# KiCad board Pre-Layout.kicad_pcb (continued)
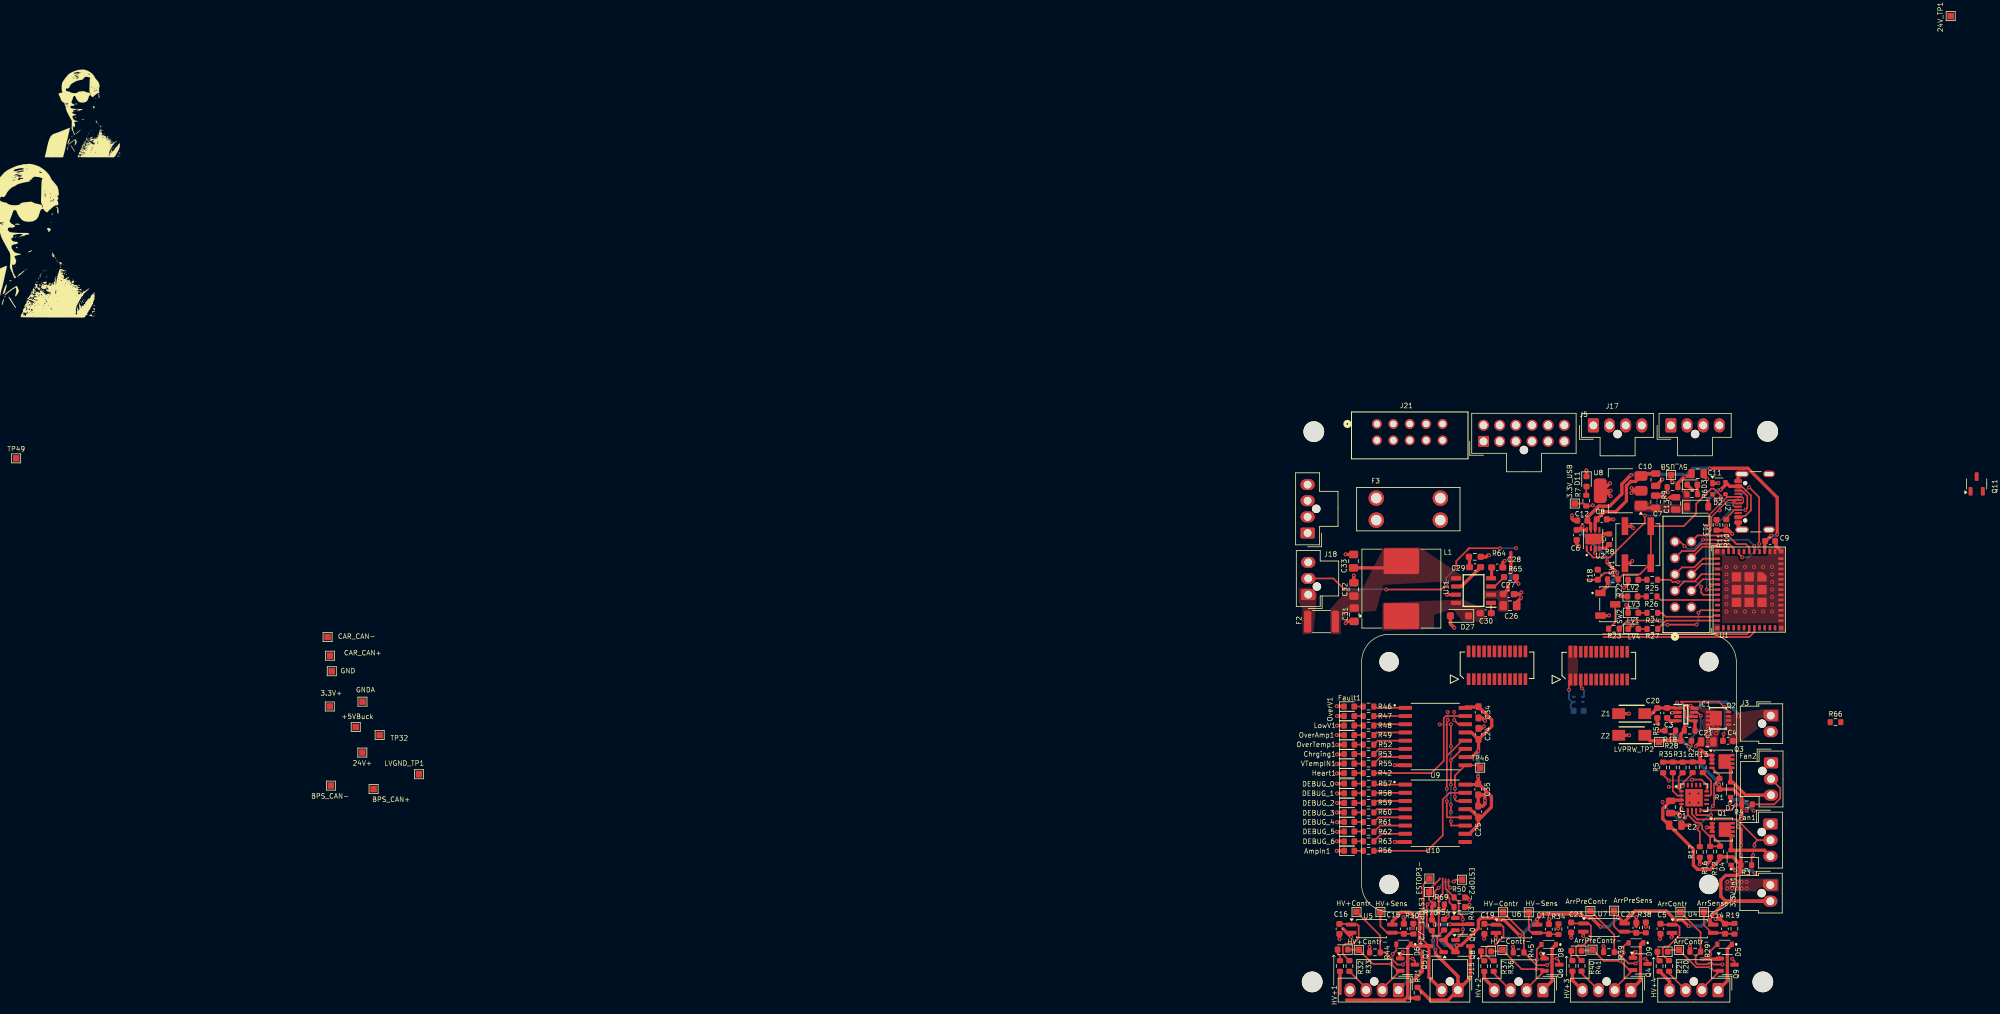
[diagram p0: board, top side]
## Library data of the parts (continued)
U11 = -: Datasheet: https://www.ti.com/lit/ds/symlink/tps5405.pdf?HQS=dis-dk-null-digikeymode-dsf-pf-null-wwe&ts=1744490234630&ref_url=https%253A%252F%252Fwww.ti.com%252Fgeneral%252Fdocs%252Fsuppproductinfo.tsp%253FdistId%253D10%2526gotoUrl%253Dhttps%253A%252F%252Fwww.ti.com%252Flit%252Fgpn%252Ftps5405; Description: Buck Switching Regulator IC Positive Fixed 5V; ki_fp_filters: D0008A-IPC_A D0008A-IPC_B D0008A-IPC_C D0008A-MFG
U12 = -: Datasheet: https://sensirion.com/media/documents/33FD6951/624C4357/Datasheet_SHT4x.pdf; Description: Digital Humidity and Temperature Sensor, ±1%RH, ±0.1°C, I2C, 1.08-3.6V, 16bit, DFN-4; ki_fp_filters: Sensirion?DFN*1.5x1.5mm*P0.8mm*SHT4x*
Z1 Z2 = -: Datasheet: https://www.mccsemi.com/pdf/Products/SMAF4735A_SMAF4764A(DO-221AC).pdf; Description: 1.0 Watt Zener Diodes 6.2V to 100V; Height: 1.25; Mouser Part Number: 833-SMAF4749A-TP; Mouser Price/Stock: https://www.mouser.co.uk/ProductDetail/Micro-Commercial-Components-MCC/SMAF4749A-TP?qs=%252BXxaIXUDbq1bdSZ3Ebik%2FA%3D%3D; Manufacturer_Name: MCC; Manufacturer_Part_Number: SMAF4749A-TP

## Footprints (pads in the part's own frame, mm; a bottom-side part is the same pattern mirrored in y, then rotated)
C_0603_1608Metric
  rrect 0.9x0.95 smd: 1(-0.775,0) 2(0.775,0)
C_0603_1608Metric_Pad1.08x0.95mm_HandSolder
  rrect 1.075x0.95 smd: 1(-0.863,0) 2(0.863,0)
C_0805_2012Metric
  rrect 1x1.45 smd: 1(-0.95,0) 2(0.95,0)
C_0805_2012Metric_Pad1.18x1.45mm_HandSolder
  rrect 1.175x1.45 smd: 1(-1.038,0) 2(1.038,0)
CONN_SFH11-xxxC-D05-ST-XX_SUL
  round 1.524 hole 1.016: 1(0,0) 2(0,-2.54) 3(2.54,0) 4(2.54,-2.54) 5(5.08,0) 6(5.08,-2.54) 7(7.62,0) 8(7.62,-2.54) 9(10.16,0) 10(10.16,-2.54)
D_SOD-123
  rrect 0.9x1.2 smd: 1(-1.65,0) 2(1.65,0)
D_SOD-123F
  rrect 1.1x1.1 smd: 1(-1.4,0) 2(1.4,0)
EL3H7
  rrect 1.625x0.6 smd: 1(-3.188,0.635) 2(-3.188,-0.635) 3(3.188,-0.635) 4(3.188,0.635)
ESP32-C6-MINI-1
  rect 0.8x0.4 smd: 1(-5.9,1.3) 2(-5.9,0.5) 3(-5.9,-0.3) 4(-5.9,-1.1) 5(-5.9,-1.9) 6(-5.9,-2.7) 7(-5.9,-3.5) 8(-5.9,-4.3) 9(-5.9,-5.1) 10(-5.9,-5.9) 11(-5.9,-6.7) 25(5.9,-6.7) 26(5.9,-5.9) 27(5.9,-5.1) 28(5.9,-4.3) 29(5.9,-3.5) 30(5.9,-2.7) 31(5.9,-1.9) 32(5.9,-1.1) 33(5.9,-0.3) 34(5.9,0.5) 35(5.9,1.3)
  rect 0.4x0.8 smd: 12(-4.8,-7.6) 13(-4,-7.6) 14(-3.2,-7.6) 15(-2.4,-7.6) 16(-1.6,-7.6) 17(-0.8,-7.6) 18(0,-7.6) 19(0.8,-7.6) 20(1.6,-7.6) 21(2.4,-7.6) 22(3.2,-7.6) 23(4,-7.6) 24(4.8,-7.6) 36(4.8,2.2) 37(4,2.2) 38(3.2,2.2) 39(2.4,2.2) 40(1.6,2.2) 41(0.8,2.2) 42(0,2.2) 43(-0.8,2.2) 44(-1.6,2.2) 45(-2.4,2.2) 46(-3.2,2.2) 47(-4,2.2) 48(-4.8,2.2)
  custom 1.45x1.45 smd: 49(-1.975,-0.725)
  rect 1.45x1.45 smd: 49(-1.975,-2.7) 49(-1.975,-4.675) 49(0,-0.725) 49(0,-2.7) 49(0,-4.675) 49(1.975,-0.725) 49(1.975,-2.7) 49(1.975,-4.675)
  rect 0.7x0.7 smd: 50(5.95,2.25) 51(5.95,-7.65) 52(-5.95,-7.65) 53(-5.95,2.25)
Fuse_1812_4532Metric
  rrect 1.125x3.4 smd: 1(-2.138,0) 2(2.138,0)
FUSE_3568
  round 2.4 hole 1.6: 1(-4.96,1.7) 2(4.96,1.7) 3(-4.96,-1.7) 4(4.96,-1.7)
L_Coilcraft_MSS1246-XXX
  rrect 4x5.5 smd: 1(-4.25,0) 2(4.25,0)
LeaderSOM
  round 3 hole 3 unplated: (-24.59,-5.45) (-24.59,-39.95) (24.91,-5.45) (24.91,-39.95)
  rect 0.55x1.8 smd: 1(3.474,-8.2) 2(3.474,-3.9) 3(4.274,-8.2) 4(4.274,-3.9) 5(5.074,-8.2) 6(5.074,-3.9) 7(5.874,-8.2) 8(5.874,-3.9) 9(6.674,-8.2) 10(6.674,-3.9) 11(7.474,-8.2) 12(7.474,-3.9) 13(8.274,-8.2) 14(8.274,-3.9) 15(9.074,-8.2) 16(9.074,-3.9) 17(9.874,-8.2) 18(9.874,-3.9) 19(10.674,-8.2) 20(10.674,-3.9) 21(11.474,-8.2) 22(11.474,-3.9) 23(12.274,-8.2) 24(12.274,-3.9) 25(-12.28,-8.15) 26(-12.28,-3.85) 27(-11.48,-8.15) 28(-11.48,-3.85) 29(-10.68,-8.15) 30(-10.68,-3.85) 31(-9.88,-8.15) 32(-9.88,-3.85) 33(-9.08,-8.15) 34(-9.08,-3.85) 35(-8.28,-8.15) 36(-8.28,-3.85) 37(-7.48,-8.15) 38(-7.48,-3.85) 39(-6.68,-8.15) 40(-6.68,-3.85) 41(-5.88,-8.15) 42(-5.88,-3.85) 43(-5.08,-8.15) 44(-5.08,-3.85) 45(-4.28,-8.15) 46(-4.28,-3.85) 47(-3.48,-8.15) 48(-3.48,-3.85)
LED_0603_1608Metric
  rrect 0.875x0.95 smd: 1(-0.787,0) 2(0.787,0)
LFPAK33
  rrect 0.83x0.3 smd: (-1.535,0.975) (-1.535,0.325) (-1.535,-0.325) (-1.535,-0.975) (1.575,0.975) (1.575,0.325) (1.575,-0.325) (1.575,-0.975)
  rrect 0.51x0.635 smd: (-0.215,0.626) (-0.215,-0.626) (0.645,0.626) (0.645,-0.626)
  rrect 0.83x0.4 smd: 1(-1.535,0.975) 2(-1.535,0.325) 3(-1.535,-0.325) 4(-1.535,-0.975)
  custom 2.47x2.35 smd: 5(0.405,0)
MMDL101T1G
  rect 0.625x0.83 smd: 1(-1.125,0) 2(1.125,0)
Molex_Nano-Fit_105309-xx02_1x02_P2.50mm_Vertical
  round 1.3 hole 1.3 unplated: (-1.34,-1.25)
  custom 2.2x1.7 hole 1.2: 1(0,0)
  oval 2.2x1.7 hole 1.2: 2(0,-2.5)
Molex_Nano-Fit_105309-xx03_1x03_P2.50mm_Vertical
  round 1.3 hole 1.3 unplated: (-1.34,-1.25)
  custom 2.2x1.7 hole 1.2: 1(0,0)
  oval 2.2x1.7 hole 1.2: 2(0,-2.5) 3(0,-5)
Molex_Nano-Fit_105309-xx04_1x04_P2.50mm_Vertical
  round 1.3 hole 1.3 unplated: (-1.08,-0.68)
  rrect 2.2x1.7 hole 1.2: 1(0.26,3.07)
  oval 2.2x1.7 hole 1.2: 2(0.26,0.57) 3(0.26,-1.93) 4(0.26,-4.43)
Molex_Nano-Fit_105309-xx04_1x04_P2.50mm_Vertical#2
  round 1.3 hole 1.3 unplated: (-1.34,-3.75)
  rrect 2.2x1.7 hole 1.2: 1(0,0)
  oval 2.2x1.7 hole 1.2: 2(0,-2.5) 3(0,-5) 4(0,-7.5)
Molex_Nano-Fit_105310-xx12_2x06_P2.50mm_Vertical
  round 1.3 hole 1.3 unplated: (-1.34,-6.25)
  rrect 1.7x1.7 hole 1.2: 1(0,0)
  round 1.7 hole 1.2: 2(0,-2.5) 3(0,-5) 4(0,-7.5) 5(0,-10) 6(0,-12.5) 7(2.5,0) 8(2.5,-2.5) 9(2.5,-5) 10(2.5,-7.5) 11(2.5,-10) 12(2.5,-12.5)
MountingHole_3.2mm_M3
  round 3.2 hole 3.2 unplated: (0,0)
PSMN8R5-40MSDX
  rect 0.4x0.83 smd: 1(-0.975,-1.65) 2(-0.325,-1.65) 3(0.325,-1.65) 4(0.975,-1.65)
  rect 0.4x0.62 smd: 5(0.975,1.525) 6(0.325,1.525) 7(-0.325,1.525) 8(-0.975,1.525)
  rect 2.25x1.85 smd: 9(0,0.29)
  rect 0.05x0.13 smd: 10(1.15,1.15) 11(-1.15,1.15)
QFN16_4x4MC_MCH
  rect 0.711x0.305 smd: 1(-1.949,0.975) 2(-1.949,0.325) 3(-1.949,-0.325) 4(-1.949,-0.975) 9(1.949,-0.975) 10(1.949,-0.325) 11(1.949,0.325) 12(1.949,0.975)
  rect 0.305x0.711 smd: 5(-0.975,-1.949) 6(-0.325,-1.949) 7(0.325,-1.949) 8(0.975,-1.949) 13(0.975,1.949) 14(0.325,1.949) 15(-0.325,1.949) 16(-0.975,1.949)
  rect 2.692x2.692 smd: HTAB(0,0)
R_0603_1608Metric
  rrect 0.8x0.95 smd: 1(-0.825,0) 2(0.825,0)
R_0603_1608Metric_Pad0.98x0.95mm_HandSolder
  rrect 0.975x0.95 smd: 1(-0.912,0) 2(0.912,0)
Sensirion_DFN-4_1.5x1.5mm_P0.8mm_SHT4x_NoCentralPad
  rect 0.5x0.3 smd: 1(-0.7,0.4) 2(-0.7,-0.4) 3(0.7,-0.4) 4(0.7,0.4)
SODFL5026X125N
  rect 1.97x1.67 smd: 1(-2.025,0) 2(2.025,0)
SOIC127P1030X265-16N
  rrect 2.06x0.6 smd: 1(-4.64,4.445) 2(-4.64,3.175) 3(-4.64,1.905) 4(-4.64,0.635) 5(-4.64,-0.635) 6(-4.64,-1.905) 7(-4.64,-3.175) 8(-4.64,-4.445) 9(4.64,-4.445) 10(4.64,-3.175) 11(4.64,-1.905) 12(4.64,-0.635) 13(4.64,0.635) 14(4.64,1.905) 15(4.64,3.175) 16(4.64,4.445)
SON65P300X300X100-9N
  rrect 0.86x0.32 smd: 1(-1.435,0.975) 2(-1.435,0.325) 3(-1.435,-0.325) 4(-1.435,-0.975) 5(1.435,-0.975) 6(1.435,-0.325) 7(1.435,0.325) 8(1.435,0.975)
  rect 1.65x2.4 smd: 9(0,0)
SOT65P280X110-8N
  rect 1.2x0.45 smd: 1(-1.25,0.975) 2(-1.25,0.325) 3(-1.25,-0.325) 4(-1.25,-0.975) 5(1.25,-0.975) 6(1.25,-0.325) 7(1.25,0.325) 8(1.25,0.975)
SOT-23-3
  rrect 1.325x0.6 smd: 1(-1.137,0.95) 4(1.137,0) 5(-1.137,-0.95)
SOT-143
  rrect 0.7x1 smd: 1(-1,0.75)
  rrect 0.7x0.6 smd: 2(-1,-0.95) 3(1,-0.95) 4(1,0.95)
SOT-223-3_TabPin2
  rrect 2x1.5 smd: 1(-3.15,2.3) 2(-3.15,0) 3(-3.15,-2.3)
  rrect 2x3.8 smd: 2(3.15,0)
SW_CJS-1200TA
  rect 1x1.6 smd: 1(-1.75,-1.15) 2(0,1.15) 3(1.75,-1.15)
SW_SPST_B3SL-1002P
  rect 2.75x1 smd: 1(-2.875,2) 2(2.875,2) 3(-2.875,-2) 4(2.875,-2)
TestPoint_Pad_1.0x1.0mm
  rect 1x1 smd: 1(0,0)
TPS5405DR
  rect 1.528x0.65 smd: 1(-2.711,1.905) 2(-2.711,0.635) 3(-2.711,-0.635) 4(-2.711,-1.905) 5(2.711,-1.905) 6(2.711,-0.635) 7(2.711,0.635) 8(2.711,1.905)
USB_C_Receptacle_GCT_USB4105-xx-A_16P_TopMnt_Horizontal
  round 0.65 hole 0.65 unplated: (-2.89,2.605) (2.89,2.605)
  rrect 0.6x1.15 smd: A1(-3.2,3.68) A4(-2.4,3.68) A9(2.4,3.68) A12(3.2,3.68) B1(3.2,3.68) B4(2.4,3.68) B9(-2.4,3.68) B12(-3.2,3.68)
  rrect 0.3x1.15 smd: A5(-1.25,3.68) A6(-0.25,3.68) A7(0.25,3.68) A8(1.25,3.68) B5(1.75,3.68) B6(0.75,3.68) B7(-0.75,3.68) B8(-1.75,3.68)
  oval 1x2.1 hole 0.6x1.7: S1(-4.32,3.105) S1(4.32,3.105)
  oval 1x1.8 hole 0.6x1.4: S1(-4.32,-1.075) S1(4.32,-1.075)

## Nets
+3.3V: 3.3V_In1.2 C1.1 C2.1 C6.1 C24.1 C25.1 C34.1 C35.1 C36.1 J1.1 J1.2 J1.3 J1.4 Q7.5 Q8.5 Q10.5 R1.2 R2.1 R3.1 R4.1 R5.1 R12.2 R13.1 R22.1 R31.1 R35.1 SW2.1 TP31.1 U2.8 U3.3 U4.4 U5.4 U6.4 U7.4 U9.10 U9.13 U9.16 U10.10 U10.13 U10.16 U12.3
+3.3V_ESP: C9.1 C11.1 C12.1 R9.1 U1.3 U2.7
+3.3VA: J1.37 J17.1 TP32.1
+5V_BUCK: C31.1 C32.1 C33.1 F2.1 L1.2 TP1.1 U11.5
+24V: 24V_TP1.1 C21.1 C26.1 C27.1 D4.1 D5.1 D7.1 D8.1 D9.1 F3.2 Fan1.1 Fan2.1 IC1.8 J1.21 J1.22 J1.23 J1.24 J4.1 J4.4 J5.1 J5.3 J6.1 J7.1 J9.1 J9.4 J10.1 J10.4 J11.1 J11.4 Q2.5 Q2.6 Q2.7 Q2.8 Q2.9 Q2.10 Q2.11 R21.2 R36.2 R40.2 R69.1 TP33.1 U11.2
/ESP/+3.3V_USB: 3.3V_USB.1 C8.1 C10.1 R7.1 U2.6 U8.3
/ESP/+5V_USB: C7.1 C13.1 D1.1 R6.1 TP48.1 U8.1
/ESP/VBUSB: D1.2 D2.4 J2.A4 J2.A9 J2.B4 J2.B9
GND: 3.3V_In1.1 AmpIn1.1 C1.2 C2.2 C5.1 C6.2 C7.2 C8.2 C9.2 C10.2 C11.2 C12.2 C13.2 C14.1 C15.1 C16.1 C17.1 C18.2 C19.1 C20.1 C21.2 C22.1 C23.1 C24.2 C25.2 C26.2 C27.2 C28.2 C31.2 C32.2 C33.2 C34.2 C35.2 C36.2 Chrging1.1 D2.1 D3.1 D11.1 D27.2 DEBUG_0.1 DEBUG_1.1 DEBUG_2.1 DEBUG_3.1 DEBUG_4.1 DEBUG_5.1 DEBUG_6.1 Fault1.1 Heart1.1 IC1.2 J1.25 J1.26 J1.27 J1.28 J1.29 J2.A1 J2.A12 J2.B1 J2.B12 J2.S1 J3.2 J5.7 J6.2 J7.2 J13.1 J13.2 J18.3 J21.1 J21.2 LowV1.1 LV1.1 LV2.1 LV3.1 LV4.1 LVGND_TP1.1 OverAmp1.1 OverTemp1.1 OverV1.1 Q1.1 Q1.2 Q1.3 Q3.1 Q3.2 Q3.3 Q4.1 Q5.1 Q6.1 Q9.1 Q11.1 R8.2 R10.2 R11.2 R16.2 R17.2 R19.2 R29.1 R30.2 R34.2 R38.2 R39.1 R43.2 R44.1 R45.1 R50.2 R51.2 R54.2 R64.2 R65.2 R66.2 SW1.1 SW1.2 SW2.3 TP30.1 U1.1 U1.2 U1.11 U1.14 U1.36 U1.37 U1.38 U1.39 U1.40 U1.41 U1.42 U1.43 U1.44 U1.45 U1.46 U1.47 U1.48 U1.49 U1.50 U1.51 U1.52 U1.53 U2.3 U2.5 U2.9 U3.HTAB U4.2 U5.2 U6.2 U7.2 U8.2 U9.8 U10.8 U11.7 U12.4 VTempIN1.1 Z1.2 Z2.2
GNDA: J1.38 J17.4 TP29.1
/ARRAY_CONTROL: J1.45 Q9.4 R29.2 TP38.1
/ARRAY_PRE_CONTROL: J1.47 Q4.4 R39.2 TP42.1
/ARRAY_PRE_SENSE: C22.2 J1.40 R38.1 TP41.1 U7.3
/ARRAY_PRE_VOLTAGE+_ADC: J1.10 J17.2
/ARRAY_PRE_VOLTAGE-_ADC: J1.12 J17.3
/ARRAY_SENSE: C14.2 J1.39 R19.1 TP40.1 U4.3
/BPS_CAN+: J1.6 J6.3 J7.3 TP3.1
/BPS_CAN-: J1.8 J6.4 J7.4 TP2.1
/CAR_CAN+: J1.30 J5.11 J5.12 TP50.1
/CAR_CAN-: J1.32 J5.9 J5.10 TP49.1 TP49#2.1
/Contactor Control and Sense/ARRAY_CONTROL-: D5.2 HV+4.1 J4.2 Q9.5 TP34.1
/Contactor Control and Sense/ARRAY_PRE_CONTROL-: D9.2 HV+3.1 J11.2 Q4.5 TP9.1
/Contactor Control and Sense/HV+_CONTROL-: D6.2 HV+1.1 J9.2 Q5.5 TP7.1
/Contactor Control and Sense/HV-_CONTROL-: D8.2 HV+2.1 J10.2 Q6.5 TP36.1
/ESP/BOOT: R23.1 U1.22
/ESP/CC1: J2.A5 R10.1
/ESP/CC2: J2.B5 R11.1
/ESP/IO4: J13.4 U1.16
/ESP/IO5: J13.3 U1.15
/ESP/IO6: J13.6 U1.13
/ESP/IO7: J13.5 U1.12
/ESP/IO8: J13.8 U1.10
/ESP/IO9: J13.7 U1.9
/ESP/IO10: J13.10 U1.6
/ESP/IO12: J13.9 U1.5
/ESP/LED1: R24.1 U1.23
/ESP/LED2: R25.1 U1.19
/ESP/LED3: R26.1 U1.20
/ESP/LED4: R27.1 U1.24
/ESP/USB_D+: D2.3 J2.A6 J2.B6 U1.18
/ESP/USB_D-: D2.2 J2.A7 J2.B7 U1.17
/ESP_RESET: C18.1 J1.17 R22.2 SW1.3 SW1.4 U1.8
/ESP_UART_RX: J1.36 J21.9 U1.30
/ESP_UART_TX: J1.34 J21.10 U1.31
/ESTOP_1-/2+: J5.4 J5.5 Q10.4 R69.2 R70.1 TP5.1
/ESTOP_1_SENSE: J1.42 Q10.1 R43.1
/ESTOP_2-: J5.6 J15.1 Q8.4 R70.2 R71.1 TP10.1
/ESTOP_2_SENSE: J1.44 Q8.1 R50.1
/ESTOP_3_SENSE: J1.46 Q7.1 R54.1
/Fan Controller/ADDRESS_PULLUP: R2.2 U3.4
/Fan Controller/CLK_PULLUP: R13.2 U3.11
/Fan Controller/FAN_1_FLYBACK: D4.2 Fan1.3 Q1.5
/Fan Controller/FAN_1_TACH: Fan1.2 R3.2 U3.6
/Fan Controller/FAN_2_FLYBACK: D7.2 Fan2.3 Q3.5
/Fan Controller/FAN_2_TACH: Fan2.2 R4.2 U3.8
/FAN+HTSense_SCL: J1.7 J21.8 R35.2 U3.2 U12.2
/FAN+HTSense_SDA: J1.5 J21.7 R31.2 U3.1 U12.1
/FAN_1_PWM: J1.9 J21.6 Q1.4 R12.1 R16.1 U3.5
/FAN_2_PWM: J1.11 Q3.4 R1.1 R17.1 U3.7
/FAN_ALERT: J1.31 R5.2 U3.12
/HV+_CONTROL: J1.41 Q5.4 R44.2 TP45.1
/HV+_SENSE: C15.2 J1.33 R30.1 TP44.1 U5.3
/HV-_CONTROL: J1.43 Q6.4 R45.2 TP39.1
/HV-_SENSE: C17.2 J1.35 R34.1 TP37.1 U6.3
/Indication Board Connection/ROSC: R65.1 U11.3
/INDICATION_BOARD_CONNECTION: J1.15 J18.2
/LED_RCLK: J1.18 J21.5 U9.12 U10.12
/LED_SER: J1.16 J21.4 U9.14
/LED_SRCLK: J1.14 J21.3 U9.11 U10.11
/POWER/LV+: C4.2 J3.1 LVPRW_TP2.1 Q2.1 Q2.2 Q2.3 R18.1 R28.1 Z2.1
/POWER/RPP_EN: C3.1 C20.2 IC1.1 IC1.5 R18.2 Z1.1
/STROBE_CONN_3.3V: J1.13 Q11.4 R66.1
/STROBE_CONN_24V-: J5.8 Q11.5
Net-(AmpIn1-A): AmpIn1.2 R56.2
Net-(C5-Pad2): C5.2 R20.1 U4.1
Net-(C16-Pad2): C16.2 R33.1 U5.1
Net-(C19-Pad2): C19.2 R37.1 U6.1
Net-(C23-Pad2): C23.2 R41.1 U7.1
Net-(C29-Pad2): C29.2 R64.1
Net-(Chrging1-A): Chrging1.2 R53.2
Net-(D3-A): D3.2 R6.2
Net-(D6-K): D6.1 J15.2 Q7.4 R32.2 R71.2 TP6.1
Net-(D11-A): D11.2 R7.2
Net-(D27-K): C30.2 D27.1 L1.1 U11.8
Net-(DEBUG_0-A): DEBUG_0.2 R57.2
Net-(DEBUG_1-A): DEBUG_1.2 R58.2
Net-(DEBUG_2-A): DEBUG_2.2 R59.2
Net-(DEBUG_3-A): DEBUG_3.2 R60.2
Net-(DEBUG_4-A): DEBUG_4.2 R61.2
Net-(DEBUG_5-A): DEBUG_5.2 R62.2
Net-(DEBUG_6-A): DEBUG_6.2 R63.2
Net-(Fault1-A): Fault1.2 R46.2
Net-(Heart1-A): Heart1.2 R42.2
Net-(HV+1-A): HV+1.2 R32.1
Net-(HV+2-A): HV+2.2 R36.1
Net-(HV+3-A): HV+3.2 R40.1
Net-(HV+4-A): HV+4.2 R21.1
Net-(IC1-GATE): C4.1 IC1.6 Q2.4
Net-(IC1-OV): IC1.7 R28.2 R51.1
Net-(IC1-VCAP): C3.2 IC1.4
Net-(J4-Sense-): J4.3 R20.2
Net-(J5-Pin_2): F3.1 J5.2
Net-(J9-Sense-): J9.3 R33.2
Net-(J10-Sense-): J10.3 R37.2
Net-(J11-Sense-): J11.3 R41.2
Net-(J18-Pin_1): F2.2 J18.1
Net-(LowV1-A): LowV1.2 R48.2
Net-(LV1-A): LV1.2 R24.2
Net-(LV2-A): LV2.2 R25.2
Net-(LV3-A): LV3.2 R26.2
Net-(LV4-A): LV4.2 R27.2
Net-(OverAmp1-A): OverAmp1.2 R49.2
Net-(OverTemp1-A): OverTemp1.2 R52.2
Net-(OverV1-A): OverV1.2 R47.2
Net-(SW2-B): R23.2 SW2.2
Net-(U2-ILIM): R8.1 U2.4
Net-(U2-STAT): R9.2 U2.1
Net-(U9-QA): R42.1 U9.15
Net-(U9-QB): R46.1 U9.1
Net-(U9-QC): R47.1 U9.2
Net-(U9-QD): R48.1 U9.3
Net-(U9-QE): R49.1 U9.4
Net-(U9-QF): R52.1 U9.5
Net-(U9-QG): R53.1 U9.6
Net-(U9-QH): R55.1 U9.7
Net-(U10-QA): R56.1 U10.15
Net-(U10-QB): R57.1 U10.1
Net-(U10-QC): R58.1 U10.2
Net-(U10-QD): R59.1 U10.3
Net-(U10-QE): R60.1 U10.4
Net-(U10-QF): R61.1 U10.5
Net-(U10-QG): R62.1 U10.6
Net-(U10-QH): R63.1 U10.7
Net-(U10-SER): TP46.1 U9.9 U10.14
Net-(U11-BOOT): C30.1 U11.1
Net-(U11-COMP): C29.1 U11.6
Net-(U11-SS): C28.1 U11.4
Net-(VTempIN1-A): R55.2 VTempIN1.2

Pads without a net: F3 3 4; IC1 3; J1 19 20 48; J2 A8 B8; U1 4 7 21 25 26 27 28 29 32 33 34 35; U2 2; U3 9 10 13 14 15 16; U10 9

## Via types
v1: diameter 0.6, hole 0.3, Top to Bottom, 286 vias

## Routing (per net, layer and track width the routed paths; a pad name or vN(x,y) marks a point on that pad's centre or on a via; arc(x,y) is an arc through that point)
+3.3V: length 209.9
  Top w0.25: J1.1 404.75,48.31 v1(404.75,46.92)
  Top w0.5: v1(390.68,33.51) 390.69,33.5 C35.1 390.76,32.37 392.74,30.38 392.74,28.76 391.17,27.19 C25.1 ; 377.4,10.56 377.4,11.06 378.8,12.46 380.07,12.46 v1(380.86,11.67) ; v1(406.85,72.28) 406.25,71.69 C6.1 407.36,71.69 407.4,71.72 ; R3.1 431.06,19.44 431.25,19.25 431.25,18.62 430.8,18.17 429,18.17 428.25,17.43 428.25,16.14 428.25,16.14 428.25,14.92 428.99,14.18 3.3V_In1.2 429.1,14.18 v1(426.57,11.65) 426.57,11.03 U4.4 ; R3.1 430.07,21.04 R12.2 428.13,20.64 426.61,19.12 424.65,19.12 424.01,19.76 424.01,22.21 421.05,25.17 421.03,25.17 C2.1 419.27,26.93 419.27,28.52 C1.1 420.59,29.84 422.29,29.84 ; R3.1 431.37,21.28 v1(431.34,21.31) ; U9.10 389.73,36.51 390.75,37.52 ; v1(412.34,11.65) 412.43,11.65 U7.4 413.35,11.03 414.97,12.65 419.82,12.65 421.18,11.29 422.3,11.29 v1(423.25,10.33) ; C25.1 390.69,25.98 389.34,24.62 U10.10 388.02,24.62 ; C25.1 389.45,28.43 U10.13 ; v1(412.23,65.05) 410.67,66.61 v1(410.67,66.8) ; U9.16 388.83,44.26 390.85,44.26 ; SW2.1 v1(410.71,63.03) 410.71,64.03 ; 390.8,32.47 390.57,32.24 U10.16 ; v1(430.95,25.73) 431.38,25.3 v1(431.38,22.81) ; C24.1 392.79,41.27 392.79,42.26 C34.1 ; C24.1 390.75,37.52 ; C24.1 389.65,40.32 U9.13 ; v1(431.5,26.95) 431.5,29.15 R4.1 431.47,30.23 430.19,31.51 R1.2 428.03,32.18 v1(427.97,32.23) ; 390.75,37.52 v1(390.69,37.47) ; v1(397.15,8.84) 394.7,11.28 393.79,11.28 393.5,11.57 391.12,11.57 390.73,11.18 390.73,9.98 388.09,7.35 v1(387.38,7.35) 387.38,6.45 Q8.5 ; U6.4 399.82,10.54 v1(399.82,11.4) 400.61,12.18 406.64,12.18 407.18,11.65 408.2,11.65 v1(409.63,10.21) ; v1(425.03,36.72) 425.03,36.16 R13.1 R2.1 422.37,35.74 R31.1 420.85,35.71 R35.1 419.34,35.73 R5.1 ; Q8.5 387.19,6.33 Q7.5 386.84,9.67 Q10.5 ; Q8.5 386.08,7.37
  Bottom w0.25: C36.1 405,44.15 405,44.65 405.4,45.05 U12.3 405.2,45.05 404.75,45.5 v1(404.75,46.92)
  Bottom w0.5: v1(423.25,10.33) 425.25,10.33 v1(426.57,11.65) ; v1(431.5,26.95) 430.95,26.4 v1(430.95,25.73) ; v1(409.63,10.21) 410.9,10.21 v1(412.34,11.65) ; v1(406.85,72.28) 406.85,71.14 410.67,67.32 v1(410.67,66.8) ; v1(399.82,11.4) 397.26,8.84 v1(397.15,8.84) ; v1(431.38,22.81) 431.34,22.77 v1(431.34,21.31) ; v1(427.97,32.23) 427.97,32.45 425.03,35.4 v1(425.03,36.72) ; v1(390.69,37.47) 390.68,37.46 v1(390.68,33.51) ; v1(380.86,11.67) 381.26,11.67 385.58,7.35 v1(387.38,7.35) ; v1(410.71,63.03) 412.23,64.54 v1(412.23,65.05)
+3.3V_ESP: length 50.6
  Top w0.5: 423.85,80.23 423.6,79.98 v1(422.66,79.98) 421.6,78.92 R9.1 ; v1(436.98,70.98) 436.98,76.7 432.43,81.25 427.17,81.25 427.16,81.23 v1(426.56,81.23) ; v1(414.35,80.15) 414.27,80.15 412.94,78.81 412.94,77.28 411.04,75.38 409.36,75.38 407.6,73.62 C12.1 408.1,72.64 408.1,71.77 ; 435.05,68.35 435.05,69.8 435.23,69.98 435.23,70 v1(436.03,70.8)
  Bottom w0.5: v1(436.03,70.8) 436.8,70.8 v1(436.98,70.98) ; v1(414.35,80.15) 414.49,80.29 422.35,80.29 v1(422.66,79.98) 423.91,81.23 v1(426.56,81.23)
+5V_BUCK: length 8
  Top w0.5: C33.1 377.77,65.81 L1.2 ; U11.5 387.12,64.2
+24V: length 73.4
  Top w0.5: R21.2 420.32,1.75 J4.4 ; D7.1 429.75,29.52 v1(429.63,29.39) ; D4.1 429.84,19.59 v1(430.5,18.93) ; v1(395.31,63.35) 395.31,62.5 C27.1 ; v1(381.61,7.98) 381.61,12.41 v1(381.6,12.42) ; IC1.8 423.96,44.07 v1(423.57,44.46) ; J11.4 405.28,1.94 R40.2 ; v1(385.21,12.74) 385.46,13 R69.1 ; 392.76,61.74 U11.2 ; D5.1 429.26,6.8 429.26,1.83 J4.1 ; v1(380.54,1.79) 382.02,3.27 382.02,6.18 v1(381.72,6.48) ; J11.1 415.82,1.89 415.82,7.52 416,7.7 ; R36.2 391.63,2.23 393.2,0.66 J10.4 ; 395.75,68.22 v1(395.75,65.18) ; J10.1 402.12,1.81 402.12,6.85 D8.1
  Bottom w0.5: v1(381.6,12.42) 381.71,12.42 382.03,12.74 v1(385.21,12.74) ; v1(381.61,7.98) 381.61,6.59 v1(381.72,6.48) ; v1(395.31,63.35) 395.75,63.8 v1(395.75,65.18) ; v1(430.5,18.93) 433.09,18.93 v1(433.48,18.54) ; J9.1 379.74,1.79 v1(380.54,1.79) ; v1(433.33,28.2) 431.66,29.87 430.1,29.87 v1(429.63,29.39) ; v1(423.57,44.46) 421.92,44.46 v1(421.46,44.92)
  vias: v1(425.98,40.43) v1(426.28,40.99) v1(426.23,39.68) v1(426.23,38.93) v1(426.23,38.18) v1(426.73,40.43) v1(427.07,40.99) v1(427.54,40.19) v1(427.54,40.19) v1(427.79,40.85)
/ESP/+3.3V_USB: length 19.8
  Top w0.25: 410.22,74.51 409.66,74.51 v1(409.61,74.57) ; 3.3V_USB.1 407.05,75.79 R7.1 408.33,75.41 v1(408.41,75.5)
  Top w0.5: C8.1 410.22,74.51 411.97,74.51 413.64,76.18 413.64,78.52 414.32,79.21 415.05,79.21 416.26,80.43 418.18,80.43 ; 408.8,72.89 U2.6
  Bottom w0.25: v1(408.41,75.5) 408.67,75.5 v1(409.61,74.57)
/ESP/+5V_USB: length 5.9
  Top w0.25: v1(420.75,79.1) 420.55,79.3 TP48.1
  Top w0.5: C7.1 416.25,75.11 U8.1 415.92,75.48 ; 423,75.3 D1.1
  Bottom w0.25: v1(422.46,77.79) 421.15,79.1 v1(420.75,79.1)
/ESP/VBUSB: length 15.1
  Top w0.25: 430.6,78.45 J2.A9 431.49,78.45 432.9,77.03 432.9,74.72 432.05,73.87 431.73,73.87 431.51,73.65 J2.A4
  Top w0.5: v1(428.23,77.93) 428.96,78.66 D2.4 429.64,78.45 J2.A9 ; v1(426.28,76.38) 426.3,76.36 D1.2
  Bottom w0.5: v1(426.28,76.38) 427.83,77.93 v1(428.23,77.93)
GND: length 131.9
  Top w0.3: 423.81,30.21 423.77,30.17
  Top w0.5: 426.88,35.52 Q3.2 Q3.1 426.06,36.79 425.3,37.54 v1(424.99,37.54) ; IC1.2 420.79,43.42 v1(420.71,43.35) ; 369.95,39.91 368.88,39.91 ; v1(419.47,76.93) 418.23,76.93 418.15,77.01 ; C12.2 405.49,73.14 405.23,73.4 v1(405.23,73.94) ; v1(423.84,77.9) 423.04,78.7 D3.1 ; v1(411.12,78.96) 409.92,77.76 U8.2 ; v1(414.43,78.2) 414.87,77.76 U8.2 ; R30.2 380.65,10.05 v1(380.62,10.02) ; v1(401.74,11.41) 401.64,11.31 C17.1 ; C16.1 369.21,8.31 v1(369.23,8.29) ; v1(405.09,8.53) 405.08,8.54 C23.1 ; Q1.2 426.92,25 ; Q1.2 426.92,26.24 ; Q1.2 426.08,25.6 v1(426.07,25.59) ; R17.2 425,20.37 424.97,20.34 v1(424.97,19.9) ; v1(414.42,77.42) 414.75,77.76 U8.2 ; C5.1 418.9,8.38 v1(418.87,8.35) ; v1(371.43,64.65) 371.45,64.63 C32.2 ; C34.2 391.3,42.58 v1(391.76,42.12) ; v1(418.59,41.66) 418.42,41.83 C20.1 ; 370,36.91 368.94,36.91 ; v1(424.38,38.18) 425.06,38.86 C21.2 ; R44.1 373.89,7.09 v1(373.87,7.1) ; U6.2 393.44,8.51 v1(393.42,8.49) ; v1(409.94,69.97) 409.62,70.29 U2.9 409.44,70.29 v1(410.01,70.86) 410.22,71.07 R8.2 ; U8.2 411.17,77.76 v1(411.19,77.79) ; U8.2 410.36,77.76 v1(411.19,76.93) ; v1(385.83,61.67) 385.83,61.66 U11.7 ; v1(408.81,68.08) 408.8,68.09 U2.3 ; U8.2 415.24,77.76 ; v1(426.14,19.97) 426.59,20.42 R16.2 ; J2.A12 430.94,79.8 J2.S1 ; Z1.2 414,43.23 v1(414.02,43.25) ; 390.85,67.5 391.91,67.5 392.18,67.77 v1(392.37,67.77) ; 379.4,35.24 v1(377.77,35.24) ; v1(370.18,57.24) 370.45,57.52 C31.2 ; DEBUG_0.1 368.88,32.39 ; v1(420.62,8.59) 420.69,8.66 U4.2 ; D11.1 407.46,80.91 v1(407.44,80.93) ; 428.16,11.41 v1(427.44,11.41) ; 428.16,11.41 428.16,11.76 v1(428,11.92) ; 428.16,11.41 C14.1 430.3,10.68 R19.2 ; U7.2 406.98,8.8 v1(406.95,8.78) ; v1(414.59,56.93) 414.47,56.93 LV4.1 ; v1(389.34,13.65) 388.97,13.28 R43.2 ; 428.09,5.39 Q9.1 428,5.2 425.38,5.2 v1(425.35,5.23) ; SW2.3 410.93,58.42 v1(410.96,58.45) ; 413.41,66.53 414.19,66.53 v1(414.54,66.88) ; v1(419.2,79.52) 418.21,78.53 C10.2 ; C33.2 370.19,67.89 v1(370.17,67.91) ; D27.2 386.39,57.14 v1(387,56.54) ; 369.95,35.44 368.88,35.44 ; U10.8 v1(377.77,23.35) ; 369.95,44.38 368.88,44.38 ; v1(371.02,8.62) 371.03,8.63 U5.2 ; 370,26.4 368.94,26.4 ; 369.95,33.97 v1(368.78,33.97) ; 436.78,69.98 436.78,69.21 U1.53 ; R11.2 429.08,71.64 R10.2 ; 370,30.87 368.94,30.87 ; R10.2 429.45,71.64 v1(430,71.09) ; R10.2 429.09,72.36 v1(429.09,72.36) ; 415.15,10.25 415.15,10.82 C22.1 415.16,11.72 v1(415.16,11.72) ; LV1.1 413.9,59.78 v1(413.59,60.09) ; v1(406.33,69.15) 405.94,69.54 405.94,70.14 ; C26.2 396.65,60.49 v1(397.34,61.18) ; Z2.2 v1(414.07,39.88) ; LV3.1 412.8,61.39 v1(412.75,61.44) ; v1(394.8,66.91) 394.5,66.61 C28.2 ; AmpIn1.1 v1(368.78,21.98) ; v1(391.56,41.26) 391.25,40.95 C24.2 ; R65.2 396.53,63.77 v1(396.94,63.36) ; DEBUG_3.1 368.88,27.92 ; 370,29.4 368.94,29.4 ; v1(420.11,76.45) 420.41,76.75 C13.2 ; R45.1 396.13,7.09 v1(396.09,7.13) ; v1(414.69,71.97) 414.38,72.28 413.66,72.28 ; v1(410.08,7.2) 410.11,7.17 R39.1 ; R38.2 416.64,10.31 416.63,10.3 v1(416.63,10.21) ; C27.2 397.1,61.74 v1(397.39,62.03) ; v1(391.64,8.37) 391.65,8.38 C19.1 ; 370,41.38 368.94,41.38 ; C1.2 421.58,27.82 v1(421.97,27.43) ; C15.1 379.19,11.61 v1(379.12,11.69) ; v1(418.68,40.59) 418.7,40.61 R51.2 ; 369.77,9.91 370.78,8.9 ; v1(415.03,6.32) 414.65,5.94 Q4.1 ; v1(427.87,78.93) D2.1 ; C2.2 v1(423.36,25.95) ; 370,38.39 368.94,38.39 ; v1(411.64,73.31) 411.62,73.33 C8.2 ; Q5.1 378.63,5.91 v1(379.01,6.29) ; J2.A1 430.94,72.31 J2.S1 ; Q6.1 400.96,5.55 v1(400.42,6.09) ; 425.39,80.23 425.49,80.23 v1(426.16,79.56) ; R34.2 403.12,9.97 v1(403.09,9.94) ; 389.31,14.43 388.92,14.82 388.6,14.82 ; 370,42.86 368.94,42.86 ; v1(385.98,11.83) 385.52,11.37 R54.2 ; LV2.1 413.89,63.35 v1(413.28,62.74) ; R29.1 423.47,7.17 v1(423.48,7.18) ; 370,24.93 368.94,24.93 ; DEBUG_6.1 368.88,23.45 ; v1(391.73,29.79) 391.73,30.37 391.46,30.64 C35.2 C25.2 391.4,28.91 391.73,29.23 v1(391.73,29.79)
  vias: v1(368.78,44.38) v1(368.78,39.91) v1(368.78,35.44) v1(368.78,32.39) v1(368.78,27.92) v1(368.78,23.45) v1(368.83,42.86) v1(368.83,41.38) v1(368.83,38.39) v1(368.83,36.91) v1(368.83,30.87) v1(368.83,29.4) v1(368.83,26.4) v1(368.83,24.93) v1(389.32,14.37) v1(423.42,30.84) v1(423.42,29.43) v1(424.78,30.85) v1(424.78,29.41) v1(429.13,65.95) v1(429.13,64.8) v1(429.13,63.65) v1(429.13,62.49) v1(429.13,61.34) v1(429.11,60.18) v1(429.13,59.04) v1(429.25,17.17) v1(429.25,16.17) v1(430,17.17) v1(430,16.17) v1(430.56,65.96) v1(430.56,59.05) v1(430.75,17.17) v1(430.75,16.17) v1(431.5,17.17) v1(431.5,16.17) v1(431.97,65.96) v1(431.97,59.05) v1(432.25,17.17) v1(432.25,16.17) v1(433.38,65.96) v1(433.38,59.05) v1(434.8,65.96) v1(434.8,59.05) v1(436.21,65.96) v1(436.21,64.8) v1(436.21,63.63) v1(436.21,62.47) v1(436.21,61.3) v1(436.21,60.14) v1(436.21,59.05)
/ARRAY_CONTROL: length 14.9
  Top w0.25: v1(428.51,4.37) 427.11,4.37 426.91,4.57 426.39,4.57 426.22,4.4 424.64,4.4 424.35,4.69 424.35,5.59 R29.2 425.12,9.35 TP38.1 ; Q9.4 430.37,4.88 v1(430.01,5.25)
/ARRAY_PRE_CONTROL: length 14.7
  Top w0.25: TP42.1 411.76,8.97 R39.2 412.2,6.29 413.95,4.54 v1(415.07,4.54) ; Q4.4 416.93,4.91 v1(416.57,5.27)
  Bottom w0.25: v1(416.57,5.27) 415.8,5.27 v1(415.07,4.54)
/ARRAY_PRE_SENSE: length 7.8
  Top w0.25: TP41.1 411.71,10.29 412.54,9.46 U7.3 414.98,9.46 C22.2 415.17,9.29 R38.1
/ARRAY_SENSE: length 7.3
  Top w0.25: TP40.1 425.63,10.48 426.85,9.27 U4.3 428.75,9.27 C14.2 430.3,9.13 R19.1
/Contactor Control and Sense/ARRAY_CONTROL-: length 17.7
  Top w0.25: HV+4.1 420.29,6.62 TP34.1 424.45,3.95 v1(426.65,3.95) 427.2,3.39 Q9.5 425.32,0.62 J4.2 ; D5.2 426.63,6.43 426.63,6 v1(426.61,5.97)
  Bottom w0.25: v1(426.61,5.97) 426.63,5.95 426.63,3.96 v1(426.65,3.95)
/Contactor Control and Sense/ARRAY_PRE_CONTROL-: length 16.9
  Top w0.25: 413.75,7.7 413.2,7.16 v1(413.2,6.17) ; 406.61,6.55 408.27,6.55 TP9.1 410.13,4.93 v1(412.67,4.93) 414.1,3.51 Q4.5 411.82,0.68 J11.2
  Bottom w0.25: v1(412.67,4.93) 412.67,5.64 v1(413.2,6.17)
/Contactor Control and Sense/HV+_CONTROL-: length 17
  Top w0.25: D6.2 378.02,6.55 v1(377.46,5.99) ; J9.2 375.85,0.63 Q5.5 378.27,3.41 v1(377.22,4.45) 374.4,4.45 TP7.1 372.17,6.67 HV+1.1
  Bottom w0.25: v1(377.22,4.45) 377.46,4.69 v1(377.46,5.99)
/Contactor Control and Sense/HV-_CONTROL-: length 18
  Top w0.25: J10.2 398.2,0.63 Q6.5 400.7,3.65 v1(399.7,3.65) 397.42,3.65 TP36.1 394.23,6.42 HV+2.1 ; D8.2 399.77,6.75 v1(399.77,5.12)
  Bottom w0.25: v1(399.7,3.65) 399.77,3.72 v1(399.77,5.12)
/ESP/BOOT: length 18
  Top w0.25: v1(424.78,58.87) 425.16,59.25 427.75,59.25 ; v1(420.01,57) 420.03,57.02 v1(424.48,57.02) ; v1(418.81,57.66) 413.8,57.66 R23.1 412.52,56.21
  Bottom w0.25: v1(420.01,57) 419.46,57 v1(418.81,57.66) ; v1(424.78,58.87) 424.78,57.32 v1(424.48,57.02)
/ESP/CC1: length 2.7
  Top w0.25: J2.A5 430.37,74.8 429.09,73.52 429.09,73.29 429.12,73.32
/ESP/CC2: length 10.1
  Top w0.25: J2.B5 431.49,77.8 432.35,76.94 432.35,75.09 v1(432.05,74.78) ; R11.1 427.61,73.27 v1(427.61,72.57)
  Bottom w0.25: v1(432.05,74.78) 429.82,74.78 v1(427.61,72.57)
/ESP/IO4: length 4.8
  Top w0.25: U1.16 425.48,64.05 J13.4
/ESP/IO5: length 7.7
  Top w0.25: J13.3 422.6,63.71 424.18,63.71 425.31,64.85 U1.15
/ESP/IO6: length 4.7
  Top w0.25: U1.13 425.33,66.45 J13.6
/ESP/IO7: length 7.6
  Top w0.25: J13.5 422.24,65.89 424.14,65.89 425.5,67.25 U1.12
/ESP/IO8: length 7.2
  Top w0.25: 429.44,68.35 429.44,68.97 429.31,69.1 425.45,69.1 J13.8
/ESP/IO9: length 10.8
  Top w0.25: 430.25,68.35 430.25,68.8 429.5,69.55 425.26,69.55 424.14,68.43 422.24,68.43 J13.7
/ESP/IO10: length 10.8
  Top w0.25: 432.64,68.35 432.64,69 432.14,69.5 430.67,69.5 429.33,70.84 424.65,70.84 J13.10
/ESP/IO12: length 15.9
  Top w0.25: v1(422.64,69.19) 421.94,69.88 J13.9 ; v1(425.5,70.17) v1(429.11,70.17) ; v1(433.44,69.22) 433.44,68.35 433.44,68.35
  Bottom w0.25: v1(433.44,69.22) 432.49,70.17 429.79,70.17 ; 430.23,69.95 430.23,69.94 430.36,69.82 ; 429.79,70.17 430,70.17 430.36,69.82 ; 429.79,70.17 v1(429.11,70.17) ; v1(425.5,70.17) 425.5,70.16 424.14,68.79 423.03,68.79 v1(422.64,69.19) ; 430.36,69.82 430.67,69.5
/ESP/LED1: length 9.6
  Top w0.25: U1.23 427.11,58.45 426.9,58.24 419.73,58.24 419.13,58.84 R24.1
/ESP/LED2: length 10.9
  Top w0.25: v1(421.64,63.64) 420.77,63.64 420.44,63.97 R25.1 ; U1.19 425.54,61.65 425.22,61.96 v1(425.22,62.9)
  Bottom w0.25: v1(421.64,63.64) 421.72,63.71 424.41,63.71 v1(425.22,62.9)
/ESP/LED3: length 9.6
  Top w0.25: R26.1 418.9,60.85 U1.20
/ESP/LED4: length 9.8
  Top w0.25: U1.24 419.77,57.65 R27.1
/ESP/USB_D+: length 23.5
  Top w0.2: 429.24,76.8 426.36,73.93 426.36,72.44 426.24,72.32 v1(425.96,72.32) ; 429.24,76.8 429.24,76.8 428.99,77.05 ; 429.24,76.8 J2.B6 ; 429.24,76.8 430.08,76.8 ; J2.B6 431.52,76.8 431.75,76.57 431.75,76.03 431.52,75.8 J2.A6 ; J2.B6 430.37,76.8 ; v1(426.05,62.46) 426.06,62.45 U1.18
  Bottom w0.2: v1(425.96,72.32) 425.96,70.57 426.11,70.42 426.11,69.92 425.96,69.78 425.96,64.16 426.05,64.07 v1(426.05,62.46)
/ESP/USB_D-: length 24
  Top w0.2: v1(426.56,71.72) 426.56,72 426.81,72.25 426.81,73.74 429.37,76.3 ; 430.08,76.3 429.37,76.3 ; 429.37,76.3 J2.A7 ; D2.2 426.96,77.01 427.43,76.54 v1(427.43,76.35) ; J2.A7 430.37,76.3 ; J2.A7 430.44,76.3 430.14,76 430.14,75.53 430.37,75.3 J2.B7 ; 427.75,63.25 426.83,63.25 v1(426.68,63.09)
  Bottom w0.2: v1(427.43,76.35) 428.08,75.7 428.08,74.72 v1(428.06,74.71) 428.06,74.65 ; v1(426.68,63.09) 426.45,63.32 426.45,64.24 426.41,64.28 426.41,69.59 426.56,69.74 426.56,70.61 426.41,70.75 426.41,71.56 v1(426.56,71.72)
